# Allegro board T736_DEMO_CORE_AXP8191_LP4_4X_32X1_V0_5-draft.brd (continued)
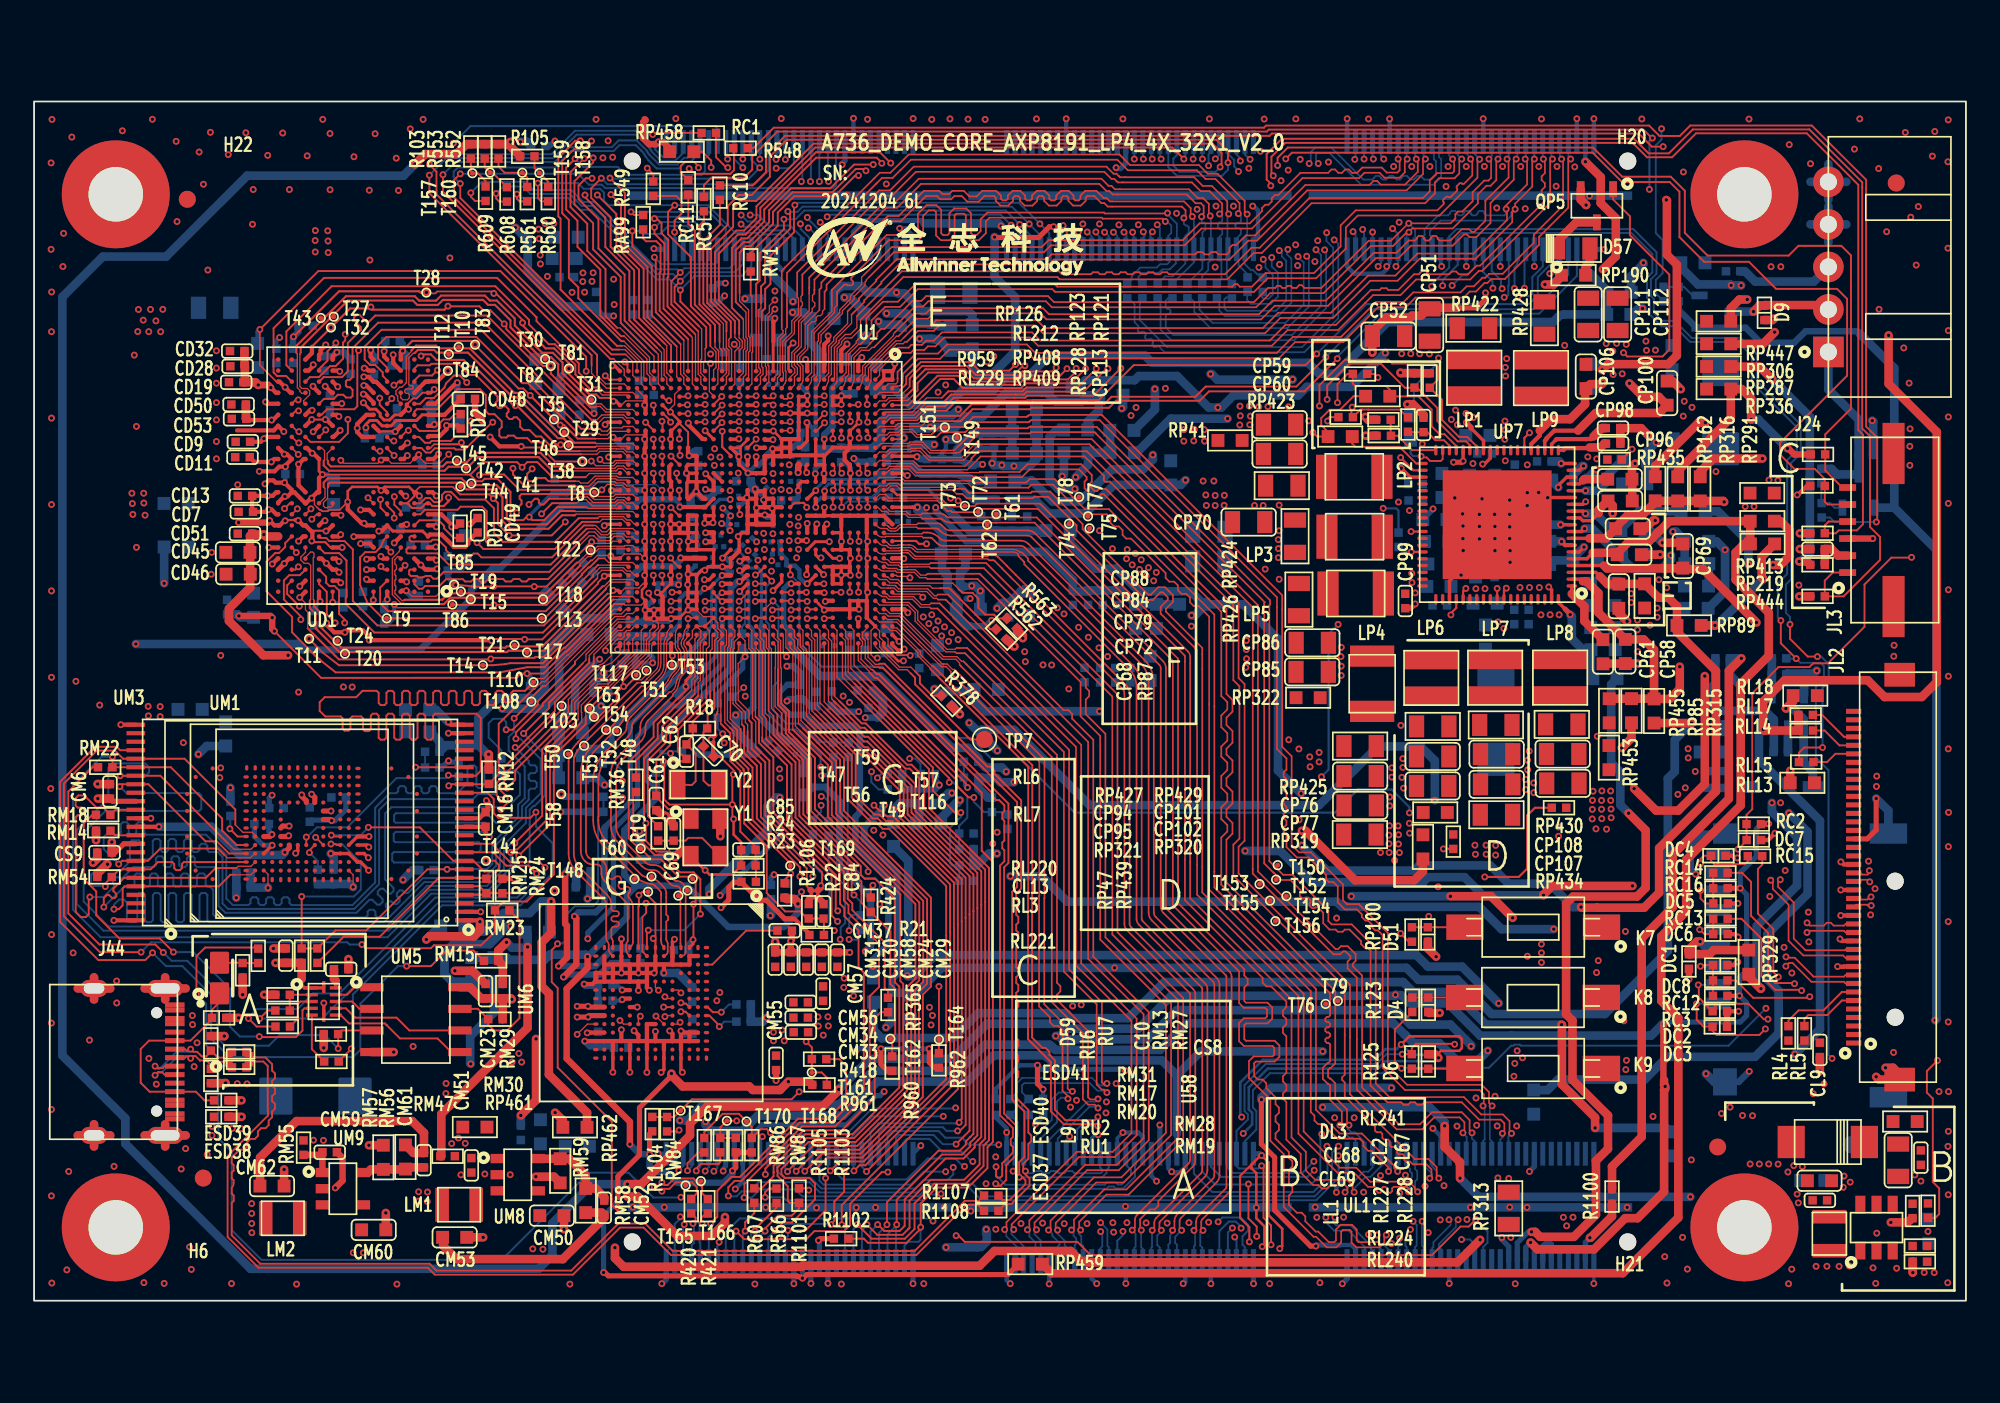
[diagram p0: board, top side]
## Routing (per net, layer and track width the routed paths; a pad name or vN(x,y) marks a point on that pad's centre or on a via; arc(x,y) is an arc through that point) (continued)
  BOTTOM w0.102: RL233.2 66.45,60.22 66.86,60.22 66.88,60.24 66.91,60.24 67.64,60.97 J47.77 67.64,62.6 67.84,62.8 67.84,63.11 67.74,63.21 67.65,63.21 67.55,63.31 v1(67.55,63.65)
LVDS0-D1P-1: length 90.4
  TOP w0.102: JL2.12 106.43,20.65 106.38,20.6 104.07,20.6 103.38,21.29 103.38,23.41 102.46,24.33 102.46,24.62 v1(102.59,24.75)
  L4 w0.102: v1(102.59,24.75) 102.49,24.85 102.49,26.57 104.02,28.1 104.02,31.63 103.75,31.9 103.23,31.9 103.13,32 103.13,32.2 103.23,32.3 103.75,32.3 104.02,32.57 104.02,37 104.22,37.2 104.22,40.16 104.51,40.45 104.51,47.49 98.93,53.07 98.93,53.5 94.49,57.94 93.63,57.94 92.13,59.44 91.75,59.44 91,58.69 90.86,58.69 90.72,58.84 90.72,58.98 91.46,59.73 91.46,60.1 91.16,60.41 90.78,60.41 90.03,59.66 89.89,59.66 89.74,59.81 89.74,59.95 90.49,60.7 90.49,61.07 89.37,62.2 88.35,62.2 87.7,62.2 87.09,61.58 86.88,61.58 86.78,61.68 86.78,61.93 86.52,62.2 86.08,62.2 85.82,61.93 85.82,61.68 85.72,61.58 85.51,61.58 85.41,61.68 85.41,61.93 85.15,62.2 77.17,62.2 76.65,61.68 75.92,61.68 v1(75.82,61.78)
  BOTTOM w0.102: v1(75.82,61.78) 75.79,61.74 75.79,61.74 75.91,61.61 75.91,58.35 74.03,56.47 66.81,56.47 66.18,57.09 66.18,58.49 66.18,58.49 66.18,58.77 RL233.1
LVDS0-D2N: length 38.1
  TOP w0.076: U1.N2 44.42,54.29 44.69,54.56 44.69,54.76 44.52,54.94 44.52,55.74 44.92,56.14 44.92,57.58 45.54,58.19 45.54,59.21
  TOP w0.102: v1(69.1,63.77) 69.1,63.77 69.1,63.82 69.02,63.9 69.02,64.49 68.68,64.83 68.36,64.83 67.85,65.34 63.8,65.34 63.5,65.34 63.3,65.54 63.13,65.54 62.71,65.96 51.98,65.96 50.58,64.56 49.95,64.56 45.54,60.15 45.54,59.56 45.54,59.55 45.54,59.21
  BOTTOM w0.102: v1(69.1,63.77) 69.14,63.73 J47.71 69.14,61.18 68.98,61.02 68.98,60.59 68.63,60.23 RL234.2
LVDS0-D2N-1: length 90.8
  TOP w0.102: JL2.14 106.43,21.65 106.33,21.75 104.26,21.75 v1(104.16,21.65)
  L4 w0.102: v1(74.26,61.38) 74.41,61.54 74.41,61.55 74.49,61.63 74.49,62.3 75.67,63.48 76.1,63.48 76.93,64.3 78.65,64.3 79.28,64.93 81.36,64.93 82.72,63.57 83,63.57 83.1,63.67 83.1,64.03 83.37,64.3 83.8,64.3 84.07,64.03 84.07,63.67 84.17,63.57 84.37,63.57 84.47,63.67 84.47,64.03 84.74,64.3 85.17,64.3 85.44,64.03 85.44,63.67 85.54,63.57 89.99,63.57 90.09,63.48 90.98,62.58 92.67,62.58 93.01,62.24 93.15,62.24 93.25,62.34 93.62,62.34 93.93,62.03 93.93,61.65 93.83,61.56 93.83,61.42 94.11,61.14 94.11,60.82 100.64,54.3 100.64,54.02 102.94,51.72 103.74,51.72 104.1,51.36 104.25,51.36 104.4,51.51 104.78,51.51 105.09,51.21 105.09,50.83 104.93,50.68 104.93,50.53 105.07,50.39 105.22,50.39 105.37,50.54 105.75,50.54 106.06,50.24 106.06,49.86 105.9,49.71 105.9,49.56 106.81,48.66 106.81,28.54 105.43,27.16 105.43,25.58 105.16,25.32 104.47,25.32 104.36,25.21 104.36,25.01 104.47,24.91 105.16,24.91 105.43,24.64 105.43,24.21 105.16,23.94 104.47,23.94 104.36,23.84 104.36,23.64 104.47,23.54 105.16,23.54 105.43,23.27 105.43,22.49 104.71,21.78 104.29,21.78 v1(104.16,21.65)
  BOTTOM w0.102: RL234.1 68.47,58.77 68.47,58.25 69.24,57.48 73.51,57.48 74.59,58.57 74.59,61.04 74.33,61.3 74.33,61.31 v1(74.26,61.38)
LVDS0-D2P: length 38.2
  TOP w0.076: 45.84,59.21 45.84,59.21 45.73,59.1 45.73,58.79 45.87,58.65 45.87,58.48 45.72,58.32 45.72,58.15 45.08,57.51 45.08,56.08 44.67,55.67 44.67,55 44.85,54.83 44.85,54.48 44.67,54.31 44.67,53.84 44.49,53.65 U1.N3
  TOP w0.102: 45.84,59.21 45.84,59.43 45.85,59.43 45.85,60.03 50.08,64.26 50.71,64.26 52.1,65.65 62.58,65.65 63,65.24 63.17,65.24 63.38,65.03 63.67,65.03 63.67,65.03 67.73,65.03 68.24,64.52 68.55,64.52 68.71,64.36 68.71,63.92 68.64,63.85 68.64,63.78 v1(68.59,63.73)
  BOTTOM w0.102: RL235.2 67.76,59.8 68.64,60.68 J47.73 68.64,62.8 68.79,62.95 68.81,62.95 68.81,63.31 68.75,63.38 68.66,63.38 68.59,63.44 v1(68.59,63.73)
LVDS0-D2P-1: length 90.6
  TOP w0.102: JL2.15 106.43,22.15 106.33,22.05 105.73,22.05 105.56,22.22 105.32,22.22 105.15,22.05 104.33,22.05 v1(104.17,22.22)
  L4 w0.102: v1(74.77,61.4) 74.72,61.45 74.77,61.5 74.77,62.18 75.78,63.2 76.22,63.2 77.04,64.02 78.76,64.02 79.39,64.65 81.24,64.65 82.6,63.29 83.11,63.29 83.38,63.56 83.38,63.92 83.48,64.02 83.68,64.02 83.79,63.92 83.79,63.56 84.05,63.29 84.49,63.29 84.75,63.56 84.75,63.92 84.85,64.02 85.06,64.02 85.16,63.92 85.16,63.56 85.42,63.29 88.8,63.29 89.88,63.29 89.93,63.24 90.87,62.3 92.55,62.3 92.89,61.96 93.27,61.96 93.36,62.06 93.51,62.06 93.65,61.91 93.65,61.77 93.55,61.67 93.55,61.3 93.83,61.02 93.83,60.71 100.36,54.18 100.36,53.9 102.82,51.44 103.63,51.44 103.99,51.08 104.36,51.08 104.52,51.24 104.66,51.24 104.81,51.09 104.81,50.95 104.65,50.79 104.65,50.42 104.96,50.11 105.33,50.11 105.49,50.26 105.63,50.26 105.78,50.12 105.78,49.98 105.62,49.82 105.62,49.45 106.53,48.54 106.53,28.65 105.15,27.27 105.15,25.7 105.05,25.6 104.35,25.6 104.08,25.33 104.08,24.9 104.35,24.63 105.05,24.63 105.15,24.53 105.15,24.33 105.05,24.22 104.35,24.22 104.08,23.96 104.08,23.52 104.35,23.26 105.05,23.26 105.15,23.16 105.15,22.61 104.59,22.06 104.32,22.06 v1(104.17,22.22)
  BOTTOM w0.102: v1(74.77,61.4) 74.9,61.28 74.9,58.44 73.64,57.18 69.11,57.18 68.17,58.13 68.17,58.71 67.94,58.93 RL235.1
LVDS0-D3N: length 43.1
  TOP w0.076: 43.93,57.23 43.93,57.11 44.01,57.03 44.01,56.91 43.68,56.58 43.68,54.47 43.52,54.31 43.52,54.22 43.45,54.15 U1.R2
  TOP w0.102: 43.93,57.23 43.93,60.55 44.12,60.74 44.12,60.74 49.36,65.98 49.36,65.98 49.69,66.31 50.31,66.31 51.38,67.38 63.77,67.38 64.39,66.76 68.44,66.76 68.86,66.35 68.95,66.25 69.53,66.25 71.13,64.65 71.13,63.98 71.23,63.88 v1(71.27,63.88)
  BOTTOM w0.102: v1(71.27,63.88) 71.27,62.65 71.16,62.54 71.16,61.83 J47.63 71.14,60.93 71.48,60.59 71.62,60.59 71.87,60.33 72,60.33 RL238.2
LVDS0-D3N-1: length 86.5
  TOP w0.102: JL2.20 107.28,24.65 107.38,24.75 107.72,24.75 v1(107.85,24.62)
  L4 w0.102: v1(72.22,61.22) 72.27,61.27 72.27,62.11 75.06,64.91 75.59,64.91 76.36,65.67 78.03,65.67 78.66,66.3 82.36,66.3 82.47,66.19 91.96,66.19 92.78,65.38 92.78,65 92.29,64.52 92.29,64.37 92.44,64.23 92.58,64.23 93.02,64.66 93.39,64.66 96.37,61.69 96.37,61.16 103.29,54.24 103.29,53.87 103.12,53.71 103.12,53.56 103.27,53.42 103.41,53.42 103.57,53.58 103.95,53.58 104.24,53.29 105.18,53.29 105.53,53.29 106.63,52.18 106.63,51.82 106.85,51.6 107.21,51.6 107.6,51.21 107.6,50.85 107.82,50.63 108.18,50.63 108.92,49.89 108.92,49.66 108.92,49.66 108.92,42.24 109.02,42.14 109.14,42.14 109.4,41.87 109.4,41.44 109.14,41.17 109.02,41.17 108.92,41.07 108.92,40.87 109.02,40.77 109.14,40.77 109.4,40.5 109.4,40.07 109.14,39.8 109.02,39.8 108.92,39.7 108.92,38.82 108.76,38.66 108.76,37.59 109.13,37.22 109.13,36.68 109.23,36.58 109.37,36.58 109.64,36.32 109.64,35.88 109.37,35.62 109.23,35.62 109.13,35.51 109.13,35.31 109.23,35.21 109.37,35.21 109.64,34.94 109.64,34.51 109.37,34.24 109.23,34.24 109.13,34.14 109.13,33.94 109.23,33.84 109.37,33.84 109.64,33.57 109.64,33.14 109.37,32.87 109.23,32.87 109.13,32.77 109.13,32.57 109.23,32.47 109.37,32.47 109.64,32.2 109.64,31.77 109.37,31.5 109.23,31.5 109.13,31.4 109.13,31.2 109.23,31.1 109.37,31.1 109.64,30.83 109.64,30.4 109.37,30.13 109.23,30.13 109.13,30.03 109.13,28.89 108.86,28.63 108.47,28.63 108.36,28.52 108.36,28.32 108.47,28.22 109,28.22 109.26,27.95 109.26,27.52 109,27.25 108.47,27.25 108.36,27.15 108.36,26.95 108.47,26.85 109,26.85 109.26,26.58 109.26,25.85 108.27,24.86 108.08,24.86 v1(107.85,24.62)
  BOTTOM w0.102: v1(72.22,61.22) 72.23,61.21 72.23,61.12 72.35,61 72.35,60.74 72.77,60.32 72.77,59.15 72.53,58.91 72.24,58.91 72.13,59.01 72.13,59.25 RL238.1
LVDS0-D3P: length 42.8
  TOP w0.076: U1.R3 43.67,53.9 43.67,54.25 43.83,54.41 43.83,56.51 44.16,56.84 44.16,57.14 44.23,57.21 44.23,57.23
  TOP w0.102: 44.23,57.23 44.23,60.42 44.43,60.62 44.43,60.62 49.49,65.68 49.49,65.68 49.81,66.01 50.44,66.01 50.89,66.46 50.9,66.46 51.52,67.08 63.64,67.08 64.26,66.46 68.32,66.46 68.55,66.22 68.83,65.94 69.4,65.94 70.82,64.53 70.82,63.98 v1(70.75,63.91)
  BOTTOM w0.102: RL239.2 71.29,60.35 70.77,60.87 70.77,61.69 J47.65 70.64,62.44 70.85,62.66 70.85,62.67 70.9,62.72 70.9,62.96 70.81,63.05 70.67,63.05 70.58,63.14 70.58,63.27 70.67,63.35 70.81,63.35 70.9,63.44 70.9,63.76 v1(70.75,63.91)
LVDS0-D3P-1: length 86.7
  TOP w0.102: JL2.21 107.3,25.15 107.4,25.05 107.72,25.05 107.83,25.15 v1(107.83,25.28)
  L4 w0.102: v1(72.71,61.33) 72.71,61.5 72.55,61.67 72.55,62 75.18,64.63 75.71,64.63 76.47,65.39 78.15,65.39 78.78,66.02 82.25,66.02 82.35,65.91 91.85,65.91 92.5,65.26 92.5,65.12 92.01,64.63 92.01,64.26 92.32,63.95 92.7,63.95 93.13,64.38 93.27,64.38 96.09,61.57 96.09,61.04 103.01,54.13 103.01,53.98 102.85,53.82 102.85,53.45 103.15,53.14 103.53,53.14 103.69,53.3 103.83,53.3 104.12,53.01 105.29,53.01 105.41,53.01 106.35,52.07 106.35,51.7 106.73,51.32 107.09,51.32 107.32,51.1 107.32,50.73 107.7,50.35 108.07,50.35 108.64,49.78 108.64,42.12 108.91,41.86 109.02,41.86 109.12,41.76 109.12,41.55 109.02,41.45 108.91,41.45 108.64,41.19 108.64,40.75 108.91,40.49 109.02,40.49 109.12,40.38 109.12,40.18 109.02,40.08 108.91,40.08 108.64,39.81 108.64,38.94 108.48,38.78 108.48,37.47 108.85,37.11 108.85,36.57 109.11,36.3 109.26,36.3 109.36,36.2 109.36,36 109.26,35.9 109.11,35.9 108.85,35.63 108.85,35.2 109.11,34.93 109.26,34.93 109.36,34.83 109.36,34.63 109.26,34.52 109.11,34.52 108.85,34.26 108.85,33.82 109.11,33.56 109.26,33.56 109.36,33.46 109.36,33.25 109.26,33.15 109.11,33.15 108.85,32.89 108.85,32.45 109.11,32.19 109.26,32.19 109.36,32.09 109.36,31.88 109.26,31.78 109.11,31.78 108.85,31.52 108.85,31.08 109.11,30.82 109.26,30.82 109.36,30.71 109.36,30.51 109.26,30.41 109.11,30.41 108.85,30.14 108.85,29.01 108.75,28.91 108.35,28.91 108.09,28.64 108.09,28.21 108.35,27.94 108.88,27.94 108.98,27.84 108.98,27.64 108.88,27.53 108.35,27.53 108.09,27.27 108.09,26.83 108.35,26.57 108.88,26.57 108.98,26.47 108.98,25.96 108.16,25.14 107.97,25.14 v1(107.83,25.28)
  BOTTOM w0.102: RL239.1 71.27,59.29 71.27,58.83 71.5,58.6 72.65,58.6 73.08,59.02 73.08,60.44 72.71,60.81 v1(72.71,61.33)
LVDS1-CKN: length 32.5
  TOP w0.102: v1(43.43,52.15) 43.39,52.11 42.97,52.11 U1.T6
  L4 w0.076: 43.83,53.5 43.83,53.48 43.9,53.42 43.9,52.62 43.66,52.38 v1(43.43,52.15)
  L4 w0.102: 43.83,53.5 43.83,55.94 43.98,56.08 43.98,56.74 44.62,57.38 44.62,57.64 46.32,59.34 47.06,59.34 47.43,59.71 48.49,59.71 50.15,61.37 50.16,61.37 50.22,61.42 51.67,61.42 51.98,61.12 52.12,61.12 52.25,61.25 52.75,61.74 52.75,61.93 52.43,62.25 52.43,62.62 52.6,62.79 52.79,62.99 53.17,62.99 53.51,62.65 53.65,62.65 53.82,62.82 53.82,62.96 53.48,63.3 53.48,63.68 53.75,63.95 63.03,63.95 63.29,63.68 63.29,62.95 63.41,62.83 v1(63.41,62.82)
  BOTTOM w0.102: v1(63.41,62.82) 63.42,62.82 63.64,62.6 J47.93
LVDS1-CKP: length 32.5
  TOP w0.102: U1.T7 43.42,51.65 v1(43.43,51.64)
  L4 w0.076: 44.11,53.5 44.11,53.48 44.05,53.42 44.05,52.55 43.77,52.28 43.77,51.98 v1(43.43,51.64)
  L4 w0.102: v1(62.89,62.82) 63.01,62.94 63.01,63.56 62.91,63.67 56.6,63.67 56.49,63.55 56.2,63.55 56.1,63.66 55.96,63.66 55.82,63.52 55.64,63.52 55.5,63.67 55,63.67 54.89,63.55 54.65,63.55 54.54,63.67 53.87,63.67 53.76,63.56 53.76,63.42 54.1,63.08 54.1,62.7 53.77,62.37 53.39,62.37 53.05,62.71 52.91,62.71 52.71,62.51 52.71,62.36 53.16,61.91 53.16,61.76 52.37,60.97 52.24,60.84 51.86,60.84 51.56,61.14 50.33,61.14 48.61,59.42 47.53,59.42 47.17,59.06 46.43,59.06 44.9,57.52 44.9,57.27 44.26,56.62 44.26,55.97 44.11,55.82 44.11,53.5
  BOTTOM w0.102: J47.95 63.14,62.59 62.91,62.82 v1(62.89,62.82)
LVDS1-D0N: length 30.9
  TOP w0.102: v1(44.42,53.2) 44.24,53.02 44.05,53.02 U1.P4
  L4 w0.076: v1(44.42,53.2) 44.5,53.27 44.5,54.81 44.44,54.87 44.44,54.89
  L4 w0.102: 44.44,54.89 44.44,55.64 44.95,56.16 44.95,56.92 46.62,58.58 47.32,58.58 47.74,58.16 47.92,58.16 49.33,59.56 49.93,59.56 50.23,59.87 50.23,60.44 50.5,60.7 51.31,60.7 51.63,60.37 51.88,60.37 52.72,59.53 52.87,59.53 53.09,59.75 53.09,59.89 52.67,60.31 52.67,60.33 52.56,60.44 52.56,60.58 52.99,61.01 53.36,61.01 53.77,60.6 53.92,60.6 54.1,60.79 54.1,60.93 53.62,61.41 53.62,61.65 54.07,62.09 54.43,62.09 54.53,62.19 54.53,62.84 54.79,63.11 55.31,63.11 55.58,62.84 55.58,62.19 55.68,62.09 56.75,62.09 57.02,62.36 58.1,62.36 58.22,62.48 58.4,62.48 58.52,62.36 58.71,62.36 58.83,62.48 59.01,62.48 59.13,62.36 59.32,62.36 59.44,62.48 59.62,62.48 59.74,62.36 59.93,62.36 60.05,62.48 60.23,62.48 60.35,62.36 60.64,62.36 60.64,62.36 60.75,62.36 60.87,62.36 60.97,62.47 60.97,62.66 v1(60.81,62.82)
  BOTTOM w0.102: J47.103 61.14,62.49 v1(60.81,62.82)
LVDS1-D0P: length 30.9
  TOP w0.102: U1.P5 44.38,52.65 v1(44.42,52.69)
  L4 w0.076: v1(44.42,52.69) 44.42,52.72 44.76,53.05 44.76,53.54 44.65,53.64 44.65,54.81 44.71,54.87 44.71,54.89
  L4 w0.102: 44.71,54.89 44.71,55.52 45.23,56.04 45.23,56.8 46.73,58.3 47.2,58.3 47.63,57.88 48.04,57.88 49.44,59.28 50.05,59.28 50.51,59.75 50.51,60.32 50.62,60.42 51.19,60.42 51.52,60.09 51.76,60.09 52.61,59.25 52.98,59.25 53.37,59.64 53.37,60.01 52.95,60.43 52.95,60.57 53.1,60.73 53.25,60.73 53.66,60.32 54.03,60.32 54.38,60.67 54.38,60.9 54.38,61.05 53.9,61.53 53.9,61.53 54.18,61.81 54.54,61.81 54.81,62.07 54.81,62.73 54.91,62.83 55.19,62.83 55.3,62.73 55.3,62.07 55.56,61.81 56.89,61.81 57.17,62.08 60.52,62.08 60.52,62.08 60.63,62.08 60.98,62.08 61.25,62.35 61.25,62.72 v1(61.35,62.82)
  BOTTOM w0.102: J47.101 61.64,62.46 61.35,62.76 v1(61.35,62.82)
LVDS1-D1N: length 31.2
  TOP w0.102: v1(44.42,51.68) 44.35,51.6 43.97,51.6 U1.P7
  L4 w0.076: v1(44.42,51.68) 44.42,51.62 44.64,51.4 44.82,51.4 44.93,51.51 44.93,54.25 45.29,54.61 45.29,54.7 45.3,54.71
  L4 w0.102: v1(61.88,62.83) 62.1,62.6 62.1,61.93 61.82,61.64 61.21,61.64 61.1,61.54 60.29,61.54 60.15,61.68 59.62,61.68 59.35,61.4 59.05,61.4 58.78,61.68 58.25,61.68 57.98,61.4 55.98,61.4 55.71,61.13 55.71,60.41 55.61,60.31 54.62,60.31 52.97,58.65 52.3,58.65 52.18,58.77 52.18,59.1 51.81,59.47 51.21,59.47 51.03,59.29 51.03,58.84 50.84,58.65 50.38,58.65 50.15,58.88 49.61,58.88 48.93,58.2 48.93,57.58 48.83,57.47 48.23,57.47 48.01,57.25 48.01,56.99 47.91,56.89 47.7,56.89 47.58,56.89 47.48,56.99 47.48,57.4 47.17,57.71 46.72,57.71 45.93,56.93 45.93,56.28 46.24,55.97 46.24,55.65 45.3,54.71
  BOTTOM w0.102: J47.99 62.14,62.56 v1(61.88,62.83)
LVDS1-D1P: length 31.3
  TOP w0.102: U1.P8 44.41,51.15 v1(44.42,51.17)
  L4 w0.076: v1(44.42,51.17) 44.51,51.25 44.89,51.25 45.09,51.45 45.09,54.19 45.33,54.43 45.42,54.43 45.5,54.51
  L4 w0.102: v1(62.38,62.83) 62.38,61.81 61.93,61.36 61.32,61.36 61.22,61.26 60.18,61.26 60.04,61.4 59.74,61.4 59.47,61.12 58.94,61.12 58.66,61.4 58.37,61.4 58.09,61.12 56.1,61.12 55.99,61.01 55.99,60.3 55.72,60.03 54.74,60.03 53.08,58.38 52.18,58.38 51.9,58.66 51.9,58.98 51.69,59.19 51.41,59.19 51.31,59.09 51.31,58.72 50.96,58.37 50.26,58.37 50.03,58.6 49.73,58.6 49.21,58.08 49.21,57.45 48.96,57.19 48.39,57.19 48.29,57.09 48.29,56.87 48.02,56.61 47.81,56.61 47.47,56.61 47.2,56.87 47.2,57.28 47.06,57.43 46.83,57.43 46.23,56.82 46.23,56.39 46.52,56.09 46.52,55.53 45.5,54.51
  BOTTOM w0.102: v1(62.38,62.83) 62.38,62.75 62.64,62.5 J47.97
LVDS1-D2N: length 32.7
  TOP w0.102: U1.T4 43.01,53.06 43.29,53.06 v1(43.43,53.2)
  L4 w0.076: 43.48,54.9 43.48,54.88 43.42,54.82 43.42,53.21 v1(43.43,53.2)
  L4 w0.102: 43.48,54.9 43.48,56.02 43.66,56.19 43.66,56.32 43.48,56.5 43.48,56.76 44.21,57.49 44.21,59.23 44.46,59.48 44.66,59.48 44.87,59.68 44.87,59.88 45.1,60.12 45.28,60.12 45.37,60.03 45.37,59.92 45.46,59.83 45.58,59.83 45.67,59.92 45.67,60.03 45.76,60.12 45.89,60.12 45.98,60.03 45.98,59.92 46.07,59.83 46.19,59.83 46.28,59.92 46.28,60.03 46.37,60.12 46.5,60.12 46.59,60.03 46.59,59.92 46.68,59.83 46.8,59.83 46.89,59.92 46.89,60.03 46.98,60.12 48.32,60.12 50.12,61.92 50.28,61.92 50.37,61.83 50.65,61.83 50.75,61.93 50.75,62.21 50.93,62.39 51.52,62.39 53.49,64.35 63.21,64.35 64.16,63.4 64.16,62.93 64.05,62.82 v1(64.03,62.82)
  BOTTOM w0.102: v1(64.03,62.82) 64.08,62.82 64.18,62.71 64.18,62.57 64.14,62.53 J47.91
LVDS1-D2P: length 32.8
  TOP w0.102: v1(43.43,52.66) 43.33,52.76 43.03,52.76 U1.T5
  L4 w0.076: v1(43.43,52.66) 43.43,52.75 43.11,53.07 43.11,53.41 43.26,53.56 43.26,54.82 43.2,54.88 43.2,54.9
  L4 w0.102: 43.2,54.9 43.2,56.87 43.94,57.61 43.94,59.34 44.99,60.39 47.98,60.39 48.01,60.42 48.23,60.42 50.48,62.67 51.4,62.67 53.37,64.63 63.32,64.63 64.44,63.52 64.44,62.92 v1(64.54,62.82)
  BOTTOM w0.102: J47.89 64.64,62.55 64.53,62.65 64.53,62.8 64.54,62.81 v1(64.54,62.82)
LVDS1-D3N: length 34.5
  TOP w0.076: U1.T3 42.92,53.77 43.17,54.02 43.17,54.94 43.12,55 43.12,57.81 43.35,58.05 43.35,58.12 v1(43.53,58.29)
  L4 w0.102: v1(65.7,62.84) 65.7,62.84 65.57,62.97 65.57,63.72 63.96,65.32 52.14,65.32 47.93,61.11 47.9,61.11 47.9,61.11 44.25,61.11 42.89,59.75 42.89,58.74 43.16,58.48 43.34,58.48 v1(43.53,58.29)
  BOTTOM w0.102: J47.85 65.64,62.5 65.58,62.56 65.58,62.71 v1(65.7,62.84)
LVDS1-D3P: length 34.5
  TOP w0.076: U1.T2 42.92,54.29 43.02,54.39 43.02,54.88 42.97,54.93 42.97,57.87 43.2,58.11 43.2,58.5 v1(43.53,58.83)
  L4 w0.102: v1(43.53,58.83) 43.27,58.83 43.17,58.93 43.17,59.63 43.75,60.2 43.98,60.2 44.12,60.35 44.12,60.49 44.12,60.58 44.37,60.83 48.06,60.83 51.25,64.01 51.39,64.01 51.58,63.83 51.73,63.83 51.87,63.97 51.87,64.11 51.82,64.17 51.82,64.31 51.96,64.45 52.11,64.45 52.17,64.38 52.33,64.38 52.46,64.52 52.46,64.67 52.39,64.74 52.39,64.88 52.55,65.04 63.85,65.04 64.33,64.56 64.33,64.43 64.28,64.38 64.28,64.25 64.37,64.16 64.49,64.16 64.55,64.21 64.67,64.21 64.76,64.13 64.76,64 64.71,63.95 64.71,63.82 64.8,63.73 64.93,63.73 64.98,63.78 65.1,63.78 65.29,63.6 65.29,62.95 v1(65.17,62.84)
  BOTTOM w0.102: J47.87 65.14,62.49 65.27,62.63 65.27,62.73 v1(65.17,62.84)
M-PWRON-AP: length 61.5
  TOP w0.114: R959.1 76.11,51.94 76,51.83 v1(76,51.72)
  L4 w0.114: v1(76,51.72) 76,51.09 75.59,50.69 75.19,50.69 74.46,49.95 74.46,35.57 78.62,31.41 78.62,26.17 80.95,23.84 80.95,22.85 83.09,20.7 83.09,18.12 83.07,18.1 83.07,18.1 82.11,17.13 82.11,11.6 81.97,11.46 78.18,7.67 v1(75.21,7.67)
  BOTTOM w0.114: J48.109 69.14,7.87 69.73,7.28 74.82,7.28 v1(75.21,7.67)
M-WAKEUP-PMU: length 63.7
  TOP w0.114: RL212.1 77.52,53.17 76.72,52.37 76.11,52.37 75.62,51.89 75.62,51.47 76.03,51.07 RL229.1 75.38,50.8 75.17,51.01 75.16,51.01 v1(75.13,51.04)
  L4 w0.114: v1(75.13,51.04) 74.23,50.14 74.23,35.48 78.39,31.31 78.39,26.06 80.72,23.73 80.72,22.67 82.77,20.62 82.77,18.12 81.88,17.23 81.88,11.69 78.09,7.9 75.49,7.9 75.36,8.03 75.35,8.03 v1(75.19,8.2)
  BOTTOM w0.114: v1(75.19,8.2) 74.5,7.51 70.43,7.51 70.14,7.79 J48.113
MCSIA-CKN-1: length 73.3
  TOP w0.102: U1.H14 47.05,48.02 47.05,47.75 v1(46.95,47.65)
  L4 w0.076: 52.46,46.98 52.45,46.97 47.42,46.97 47.13,47.26 47.13,47.47 v1(46.95,47.65)
  L4 w0.102: v1(80.22,3.68) 80.2,3.7 80.2,4.04 79.91,4.34 78.3,4.34 77.88,3.93 77.88,3.72 77.7,3.54 77.5,3.54 77.31,3.35 77.31,3.15 77.12,2.96 76.92,2.96 76.53,2.57 74.7,2.57 72.5,4.77 72.5,5.84 72.38,5.96 72.38,6.25 72.5,6.37 72.5,10.79 72.4,10.89 71.83,10.89 71.12,11.6 71.12,17.56 70.71,17.97 70.37,17.97 69.96,18.38 69.96,18.72 69.74,18.94 69.4,18.94 68.99,19.35 68.99,19.7 68.77,19.91 68.42,19.91 68.02,20.32 68.02,20.67 66.76,21.92 65.84,21.92 65.26,22.5 65.26,23.36 64.85,23.77 64.85,39.8 58.29,46.36 54.61,46.36 54.6,46.37 53.84,46.37 53.1,47.11 52.59,47.11 52.46,46.98
  BOTTOM w0.102: J48.134 80.14,3.16 80.26,3.28 80.26,3.64 v1(80.22,3.68)
MCSIA-CKP-1: length 73.2
  TOP w0.102: v1(47.46,47.65) 47.35,47.75 47.35,48.08 U1.G14
  L4 w0.076: v1(47.46,47.65) 47.28,47.47 47.28,47.33 47.48,47.12 52.26,47.12 52.46,47.32
  L4 w0.102: 52.46,47.32 53.19,47.32 53.87,46.65 54.72,46.65 54.72,46.64 58.41,46.64 65.13,39.92 65.13,23.89 65.54,23.48 65.54,22.61 65.95,22.2 66.88,22.2 68.3,20.78 68.3,20.43 68.54,20.19 68.89,20.19 69.27,19.81 69.27,19.46 69.51,19.22 69.86,19.22 70.24,18.84 70.24,18.49 70.48,18.25 70.83,18.25 71.4,17.68 71.4,11.72 71.95,11.17 72.51,11.17 72.78,10.91 72.78,4.89 74.82,2.85 76.42,2.85 78.18,4.62 80.02,4.62 80.48,4.16 80.48,3.96 v1(80.76,3.68)
  BOTTOM w0.102: J48.136 80.64,3.16 80.57,3.23 80.57,3.49 v1(80.76,3.68)
MCSIA-D0N-1: length 72.7
  TOP w0.076: 52.19,46.28 52.17,46.28 52.09,46.2 51.43,46.2 51.24,46.4 50.3,46.4 50.05,46.65 U1.B17
  TOP w0.102: 56.53,46.05 T61.1 ; 56.53,46.05 58.91,46.05 64.38,40.57 67.21,37.74 67.21,26.11 67.21,23.38 71.1,19.49 71.1,19.12 71.3,18.92 71.3,18.61 71.1,18.41 71.1,17.62 71.2,17.52 72.46,17.52 72.74,17.24 72.74,16.58 72.46,16.3 71.2,16.3 71.1,16.2 71.1,15.38 71.2,15.28 72.89,15.28 73.17,15 73.17,14.34 72.89,14.06 71.78,14.06 71.68,13.96 71.68,13.22 71.9,13 72.18,13 72.4,12.79 72.4,12.5 72.94,11.96 72.94,11.55 73.14,11.35 73.14,11.05 72.94,10.85 72.94,10.54 73.14,10.34 73.14,10.04 72.94,9.84 72.94,9.53 73.72,8.74 73.72,8.4 73.93,8.2 73.93,7.89 73.72,7.69 73.72,6.89 73.93,6.69 73.93,6.39 73.72,6.18 73.72,5.64 74.19,5.17 74.47,5.17 74.69,4.96 74.69,4.67 75.3,4.06 75.45,4.06 76.07,3.45 76.39,3.45 76.49,3.55 76.49,4.19 76.77,4.47 77.43,4.47 77.71,4.19 77.71,3.55 77.81,3.45 78.92,3.45 79.03,3.55 79.03,3.75 v1(78.91,3.86) ; 56.53,46.05 56,46.05 56,46.05 53.74,46.05 arc(53.66,46.06) 53.6,46.1 53.58,46.12 arc(53.41,46.24) 53.2,46.28 52.19,46.28
  BOTTOM w0.102: J48.130 79.14,3.01 79.03,3.12 79.03,3.75 v1(78.91,3.86)
MCSIA-D0P-1: length 72.6
  TOP w0.076: U1.C17 49.57,46.65 49.82,46.4 49.86,46.4 49.86,46.4 50.09,46.4 50.24,46.25 51.17,46.25 51.37,46.05 52.09,46.05 52.17,45.98 52.19,45.98
  TOP w0.102: 56,45.74 53.88,45.74 arc(53.57,45.8) 53.31,45.98 52.19,45.98 ; 56,45.74 T62.1 ; 56,45.74 56.53,45.74 56.53,45.74 58.78,45.74 59.1,45.42 66.9,37.62 66.9,26.23 66.9,26.23 66.9,23.25 70.8,19.36 70.8,17.5 71.08,17.22 72.34,17.22 72.44,17.12 72.44,16.71 72.34,16.61 71.08,16.61 70.8,16.33 70.8,15.26 71.08,14.98 72.76,14.98 72.86,14.88 72.86,14.47 72.76,14.37 71.66,14.37 71.38,14.09 71.38,13.09 72.63,11.83 72.63,9.4 73.42,8.62 73.42,5.51 75.17,3.76 75.32,3.76 75.94,3.14 76.51,3.14 76.79,3.42 76.79,4.06 76.89,4.16 77.3,4.16 77.4,4.06 77.4,3.42 77.68,3.14 79.05,3.14 79.33,3.42 79.33,3.75 v1(79.44,3.86)
  BOTTOM w0.102: J48.132 79.64,2.94 79.33,3.25 79.33,3.75 v1(79.44,3.86)
MCSIA-D1N-1: length 73.3
  TOP w0.102: v1(48.47,47.65) 48.5,47.67 48.5,48.07 U1.E14
  L4 w0.076: v1(48.47,47.65) 48.82,47.31 49.83,47.31 49.94,47.42 50.31,47.42 50.38,47.36 50.4,47.36
  L4 w0.102: v1(81.02,4.67) 80.96,4.67 80.65,4.99 77.91,4.99 76.51,3.58 74.82,3.58 73.17,5.23 73.17,5.46 73.17,5.46 73.17,11.53 71.92,12.78 71.92,19.38 70.86,20.44 70.61,20.44 70.39,20.66 70.39,20.91 69.03,22.27 68.89,22.27 68.57,21.95 68.2,21.95 67.74,22.4 67.74,22.77 68.06,23.09 68.06,23.24 67.77,23.52 67.63,23.52 67.31,23.21 66.94,23.21 66.49,23.66 66.49,24.03 66.8,24.35 66.8,24.49 65.56,25.73 65.56,40.06 58.59,47.03 58.59,47.03 58.57,47.05 54.93,47.05 54.39,47.6 52.4,47.6 52.22,47.43 52.06,47.43 52,47.36 50.4,47.36
  BOTTOM w0.102: v1(81.02,4.67) 81.23,4.46 81.23,3.45 81.23,3.25 81.14,3.16 J48.138
MCSIA-D1P-1: length 73.3
  TOP w0.102: U1.D14 48.82,48.04 48.82,47.81 v1(48.98,47.65)
  L4 w0.076: 50.4,47.64 50.38,47.64 50.31,47.58 49.88,47.58 49.76,47.46 49.17,47.46 v1(48.98,47.65)
  L4 w0.102: 50.4,47.64 51.88,47.64 51.95,47.7 52.11,47.7 52.28,47.88 54.5,47.88 55.05,47.33 58.69,47.33 58.7,47.31 58.7,47.31 65.84,40.18 65.84,25.85 67.08,24.61 67.08,24.23 66.77,23.92 66.77,23.77 67.05,23.48 67.2,23.48 67.51,23.8 67.89,23.8 68.34,23.35 68.34,22.98 68.02,22.66 68.02,22.51 68.31,22.23 68.45,22.23 68.77,22.54 69.15,22.54 72.19,19.5 72.19,12.9 73.44,11.65 73.44,5.35 74.93,3.86 76.39,3.86 77.8,5.27 81.03,5.27 81.55,4.75 v1(81.55,4.67)
  BOTTOM w0.102: J48.140 81.64,3.14 81.53,3.25 81.53,3.45 81.53,4.65 v1(81.55,4.67)
MCSIA-D2N-1: length 76.3
  TOP w0.102: U1.G12 47.33,49.05 47.33,48.77 v1(47.45,48.65)
  L4 w0.076: 51.55,48.12 51.48,48.05 50.78,48.05 50.67,48.16 49.95,48.16 49.86,48.25 49.52,48.25 49.43,48.16 47.39,48.16 47.27,48.29 47.27,48.47 v1(47.45,48.65)
  L4 w0.102: 51.55,48.12 52.03,48.6 54.75,48.6 55.33,48.01 59.03,48.01 59.85,47.19 59.85,47.19 60.64,46.4 60.64,46.4 66.55,40.5 66.55,27.09 66.76,26.88 67.01,26.88 67.23,26.66 67.23,26.41 67.44,26.2 67.69,26.2 67.9,25.98 67.9,25.74 70.66,22.98 70.91,22.98 71.13,22.76 71.13,22.51 71.34,22.3 71.59,22.3 71.8,22.08 71.8,21.83 72.02,21.62 72.27,21.62 72.48,21.4 72.48,21.16 73.04,20.6 73.63,20.6 73.89,20.33 73.89,19.7 73.63,19.43 73.04,19.43 72.94,19.33 72.94,18.92 73.04,18.82 73.63,18.82 73.89,18.56 73.89,17.92 73.63,17.65 73.04,17.65 72.94,17.55 72.94,16.96 73.04,16.85 73.87,16.85 74.13,16.59 74.13,15.95 73.87,15.69 73.04,15.69 72.94,15.58 72.94,15.18 73.04,15.08 73.87,15.08 74.13,14.81 74.13,14.17 73.87,13.91 73.04,13.91 72.94,13.81 72.94,13.48 74.13,12.28 74.13,5.63 75.22,4.55 75.85,4.55 75.92,4.62 arc(75.94,4.65) 75.95,4.69 75.95,4.85 v1(75.89,4.9)
  BOTTOM w0.102: J48.126 78.2,2.39 78.2,3.15 77.23,4.12 76.38,4.12 76,4.5 76,4.8 v1(75.89,4.9)
MCSIA-D2P-1: length 76.3
  TOP w0.102: v1(46.92,48.65) 47.03,48.73 47.03,49.05 U1.H12
  L4 w0.076: 51.75,47.92 51.62,47.92 51.6,47.9 50.72,47.9 50.61,48.01 47.33,48.01 47.12,48.22 47.12,48.47 v1(46.92,48.65)
  L4 w0.102: 51.75,47.92 52.15,48.32 54.63,48.32 55.22,47.73 58.91,47.73 59.57,47.08 59.57,47.07 60.52,46.12 60.52,46.12 66.27,40.38 66.27,26.98 72.92,20.32 73.51,20.32 73.61,20.22 73.61,19.81 73.51,19.71 72.92,19.71 72.66,19.45 72.66,18.81 72.92,18.54 73.51,18.54 73.61,18.44 73.61,18.03 73.51,17.93 72.92,17.93 72.66,17.67 72.66,16.84 72.92,16.57 73.75,16.57 73.85,16.47 73.85,16.07 73.75,15.97 72.92,15.97 72.66,15.7 72.66,15.06 72.92,14.8 73.75,14.8 73.85,14.7 73.85,14.29 73.75,14.19 72.92,14.19 72.66,13.92 72.66,13.36 73.85,12.17 73.85,5.52 75.1,4.27 76.02,4.27 76.29,4.54 76.29,4.77 v1(76.43,4.9)
  BOTTOM w0.102: v1(76.43,4.9) 76.3,4.78 76.3,4.63 76.51,4.42 77.35,4.42 78.53,3.25 78.53,3.05 78.64,2.94 J48.128
MCSIA-D3N-1: length 74.4
  TOP w0.102: U1.E12 48.54,49.03 48.54,48.72 v1(48.47,48.65)
  L4 w0.102: v1(83.13,4.76) 83.26,4.63 83.26,4.53 83.02,4.3 82.55,4.3 82.24,4.6 82.24,5.03 82.23,5.04 82.23,5.36 81.64,5.95 76.27,5.95 74.82,7.4 74.82,20.93 68.21,27.54 68.21,27.79 67.99,28 67.75,28 67.37,28.38 67.37,42.37 63.61,46.12 61.9,46.12 60.94,47.09 60.92,47.09 60.54,47.47 60.54,47.48 59.31,48.7 55.62,48.7 55.03,49.28 48.87,49.28 48.59,49 48.59,48.77 v1(48.47,48.65)
  BOTTOM w0.102: J48.142 82.14,3.1 82.21,3.17 82.21,3.44 83.23,4.45 83.23,4.66 v1(83.13,4.76)
MCSIA-D3P-1: length 74.4
  TOP w0.102: v1(48.97,48.65) 48.85,48.78 48.85,49.07 U1.D12
  L4 w0.102: v1(83.66,4.76) 83.66,4.75 83.54,4.63 83.54,4.41 83.14,4.02 82.43,4.02 81.96,4.49 81.96,4.91 81.95,4.92 81.95,5.24 81.52,5.67 76.15,5.67 74.54,7.29 74.54,20.82 67.09,28.26 67.09,42.25 63.5,45.85 61.78,45.85 60.82,46.81 60.81,46.81 60.26,47.36 60.26,47.36 59.2,48.42 55.5,48.42 54.92,49.01 50.02,49.01 49.83,48.82 49.52,48.82 49.33,49.01 48.99,49.01 48.87,48.88 48.87,48.76 v1(48.97,48.65)
  BOTTOM w0.102: J48.144 82.64,3.07 82.53,3.18 82.53,3.33 83.53,4.33 83.53,4.63 v1(83.66,4.76)
MCSIB-CKN-1: length 62.9
  TOP w0.076: 55.15,48.2 51.15,48.2 50.95,48.4 49.96,48.4 49.96,48.4 49.67,48.4 U1.C14
  TOP w0.102: 61.19,47.08 61.36,47.26 T78.1 ; 61.19,47.08 61.05,47.22 61.05,47.22 59.97,48.3 58.49,48.3 58.29,48.1 55.25,48.1 55.15,48.2 ; 61.19,47.08 61.74,46.54 63.15,46.54 69.34,40.34 69.34,34.94 69.34,25.22 69.34,24.3 75.31,18.33 75.31,11.22 76.71,9.83 78.01,9.83 79.91,7.93 79.91,7.81 v1(80.11,7.6)
  BOTTOM w0.102: J48.133 80.14,7.91 80.03,7.8 80.03,7.68 v1(80.11,7.6)
MCSIB-CKP-1: length 62.7
  TOP w0.076: U1.B14 50.02,48.24 50.89,48.24 51.09,48.05 54.87,48.05 55.12,47.8
  TOP w0.102: 61.92,46.23 61.86,46.23 61.86,46.23 61.61,46.23 60.93,46.92 60.92,46.92 59.86,47.97 58.6,47.97 58.42,47.8 55.12,47.8 ; 61.92,46.23 T77.1 ; 61.92,46.23 63.02,46.23 63.24,46.02 63.24,45.73 63.45,45.52 63.74,45.52 63.95,45.3 63.95,45.02 64.17,44.8 64.45,44.8 66.48,42.77 66.48,42.49 66.7,42.27 66.98,42.27 67.2,42.06 67.2,41.77 67.41,41.56 67.7,41.56 67.91,41.34 67.91,41.06 68.13,40.84 68.41,40.84 69.04,40.21 69.04,35.07 69.04,35.07 69.04,25.35 69.04,24.17 75.01,18.2 75.01,11.1 75.22,10.88 75.22,10.6 75.44,10.38 75.72,10.38 76.58,9.52 77.88,9.52 78.1,9.31 78.1,9.1 78.39,8.81 78.6,8.81 79.58,7.83 v1(79.58,7.6)
  BOTTOM w0.102: J48.131 79.64,7.93 79.73,7.84 79.73,7.75 v1(79.58,7.6)
